# Allegro board LAY_90818_C.brd (continued)
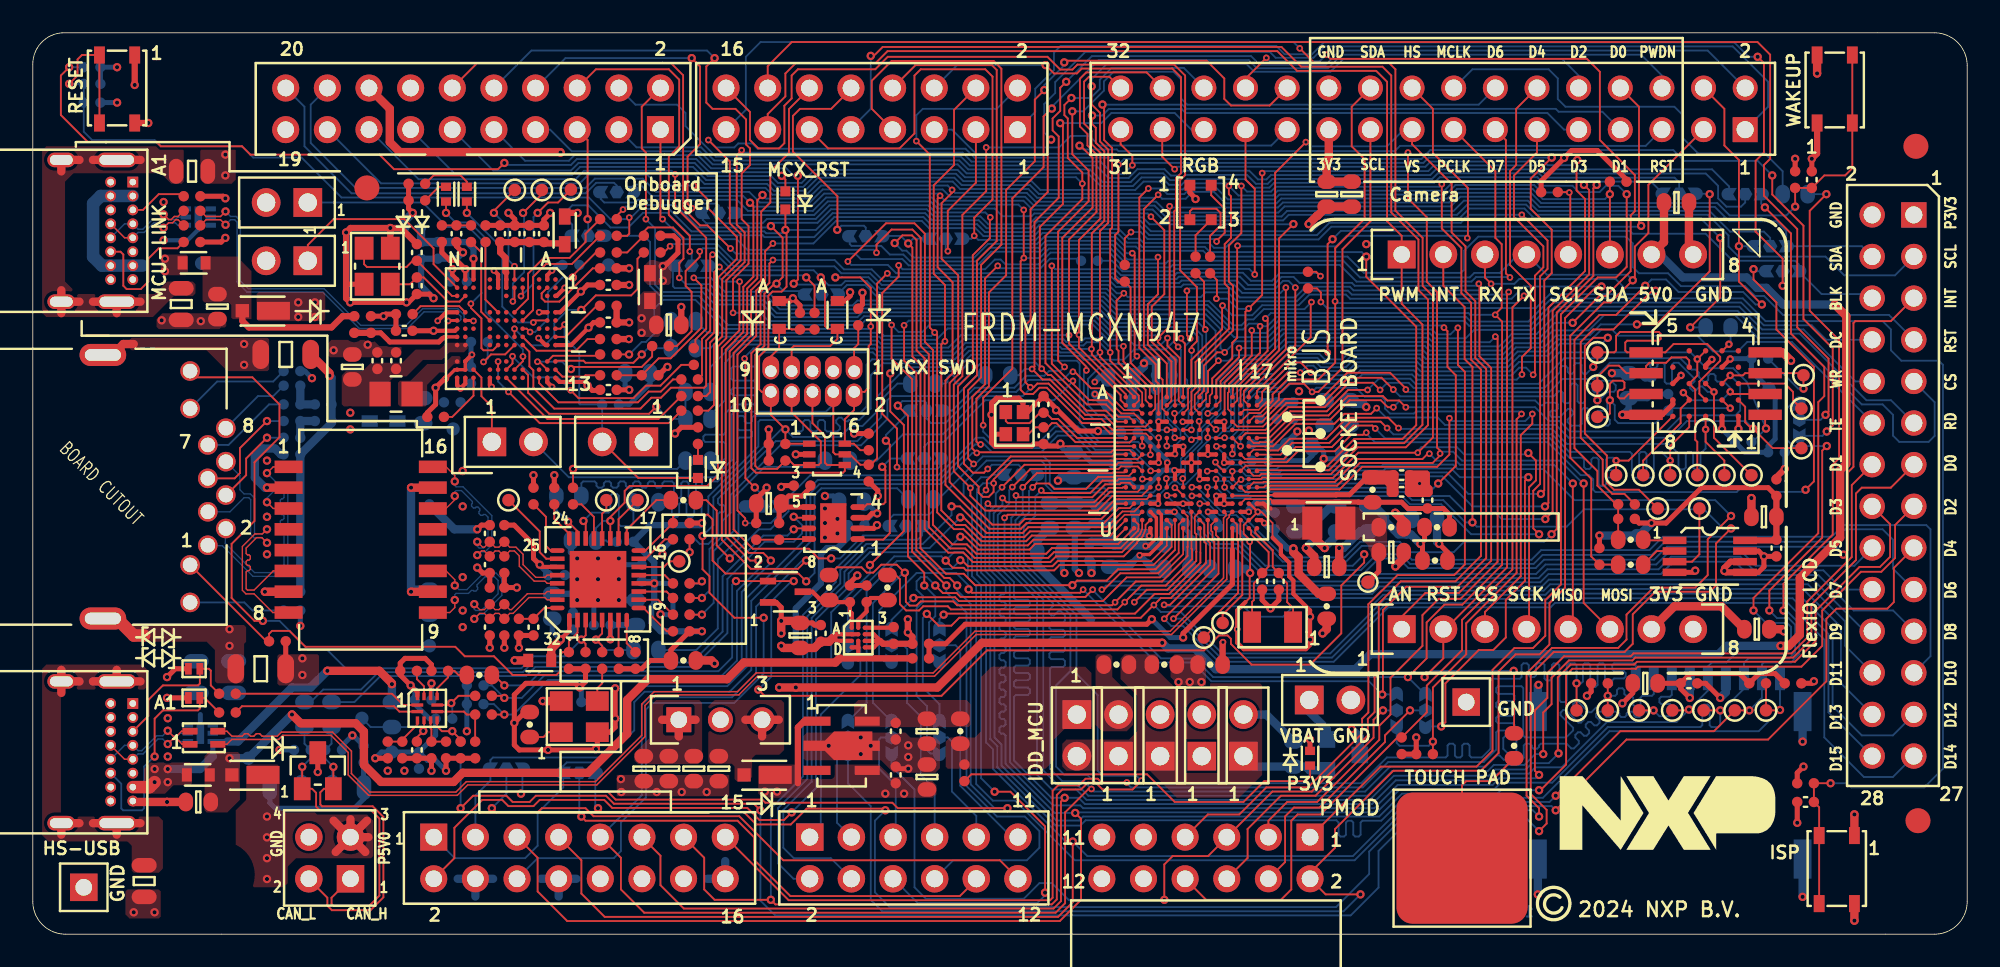
[diagram p0: board, top side]
## Nets (continued)
LPC_HW_VER_3: R120.1 U11.B2
LPC_HW_VER_4: R122.1 U11.M5
LPC_HW_VER_5: R123.1 U11.H5
LPC_HW_VER_6: J18.1 U11.H9
LPC_HW_VER_7: J19.1 U11.N2
LPC_HW_VER_8: R117.1 U11.L13
LPC_LED_USB_COMM: D10.C(CATHODE) U11.F12
LPC_LED_VCOM_ACT: D12.C(CATHODE) U11.B6
LPC_MCU_LINK_I2C0_SCL: R143.1 U11.A12
LPC_MCU_LINK_I2C0_SDA: R142.1 U11.E7
LPC_MCU_LINK_RX: R172.1 R178.1 U11.E12
LPC_MCU_LINK_SPI1_MISO: R139.1 U11.G13
LPC_MCU_LINK_SPI1_MOSI: R138.1 U11.H12
LPC_MCU_LINK_SPI1_SCLK: R137.1 U11.G12
LPC_MCU_LINK_SPI1_SSEL: R136.1 U11.B12
LPC_MCU_LINK_TX: R173.1 R179.1 U11.A11
LPC_PIO0_5-ISP_EN-LED_SWD_ACT: D11.C(CATHODE) J21.2 R124.2 U11.A7
LPC_PIO0_10-SWO: TP28.1(PIN1) U11.F2
LPC_PIO0_11-SWDCLK: TP29.1(PIN1) U11.F1
LPC_PIO0_12-SWDIO: TP30.1(PIN1) U11.E2
LPC_USB1_DM: R110.2 U11.N6
LPC_USB1_DP: R111.2 U11.M6
MCU_LINK_3V3: C76.1 C77.1 C79.1 C80.1 C81.1 C82.1 C84.1 L9.2 R116.1 TP44.1(PIN1) U11.A3 U11.A5 U11.A9 U11.A13 U11.M1 U11.N7
MCU_LINK_RST: R189.1 U11.J6
MCU_LINK_USB_CC1: J17.A5 R112.1
MCU_LINK_USB_CC2: J17.B5 R113.1
MCU_LINK_USB_DN: J17.A7 J17.B7 R110.1 U12.1
MCU_LINK_USB_DP: J17.A6 J17.B6 R111.1 U12.2
MCU_LINK_VBAT: C93.1 C94.1 C95.1 L12.2 TP45.1(PIN1) U11.M13 U11.N13
MCU_LINK_VDDA: C86.1 C87.1 C88.1 C89.1 L10.2 U11.G1 U11.G2
MCU_LINK_XTAL_N: C96.1 U11.M3 Y4.3
MCU_LINK_XTAL_P: C97.1 U11.N3 Y4.1
MCX_USB1_DM: L13.2 U1.R14
MCX_USB1_DP: L13.3 U1.R13
MCX_USB1_VBUS: R27.2 R29.1 U1.U14
OPAMP0_INN/RSHUNT_CURA_N: SJ24.1 U1.U6
OPAMP1_INN/RSHUNT_CURB_N: SJ22.1 U1.U8
OPAMP2_INN/RSHUNT_CURC_N: SJ20.1 U1.U10
P0_0/TMS/SWD_DIO: D16.6(K5) J23.2 R129.2 R144.2 U1.A17
P0_1/TCLK/SWD_CLK: D16.5 J22.2 J23.4 R147.1 U1.A16
P0_2/TDO/SWO: D16.4 J23.6 R130.2 U1.B16
P0_3/CMP1_IN1-MC_CUR_DCB: D16.3 J23.8 R131.2 R145.2 SJ17.1 U1.B15
P0_4/PDM0_CLK: J9.17 SJ12.3 SJ22.3 U1.B14
P0_5/PDM0_DATA0: J9.15 SJ13.3 SJ21.3 U1.A14
P0_6/ISPMODE_N-DEBUG: C3.1 D15.C J23.7 R1.2 R133.2 SW3.3 SW3.4 U1.C14
P0_7/FXIO_LCD_DC: J8.8 U1.C13
P0_8/FXIO_LCD_RD: J8.11 U1.C12
P0_9/FXIO_LCD_WR: J8.10 U1.A12
P0_10/CT0_MAT0-ARD_D9: R5.2 SJ5.1 U1.B12
P0_11/SMARTDMA_CAMERA_HSYNC: J9.18(B9) U1.B11
P0_12/FXIO_LCD_CS: J8.9 U1.D11
P0_13/FXIO_LCD_TE: J8.12 U1.F12
P0_14/ADC0_B14-MC_BEMF_B: J4.6 SJ19.3 U1.E11
P0_15/ARD_A4: SJ8.1 U1.G13
P0_16/FC2_I2C_SDA-MCULINK: J7.3 R141.2 R142.2 U1.B10
P0_17/FC2_I2C_SCL-MCULINK: J7.7 R140.2 R143.2 U1.A10
P0_18/PMOD_FC0_SPI_MISO: J7.5 SJ23.3 U1.C10
P0_19/PMOD_FC0_SPI_CS: J2.13 J7.1 U1.C9
P0_20/PMOD_INT: J7.2 SJ24.3 U1.C8
P0_21/TSI0_CH16: SJ25.3 U1.A8
P0_22/ADC0_A14-MC_BEMF_C: J4.8 SJ18.3 U1.B8
P0_23/ARD_A5: C4.1 R2.2 SJ9.1 SW2.3 SW2.4 U1.B7
P0_24/FC1_SPI_SDO-ARD_D11: SJ7.1 U1.B6
P0_25/FC1_SPI_SCK-ARD_D13: J2.12 U1.A6
P0_26/FC1_SPI_SDI-ARD_D12: J2.10 U1.F10
P0_27/FC1_SPI_PCS-ARD_D10: R6.2 SJ6.1 U1.E10
P0_28/ARD_D8: J2.2 U1.E8
P0_29/ARD_D2: J1.6 U1.F8
P0_30/ARD_D4: SJ2.1 U1.E7
P0_31/ARD_D7: J1.16(B8) U1.D7
P1_0/FC1_SPI_SDO_MCULINK: J2.17 J5.6 R139.2 R209.2 U1.C6
P1_1/FC1_SPI_SCK_MCULINK: J2.15 J5.5 R137.2 R208.2 U1.C5
P1_2/CT1_MAT0-ARD_D6: R7.2 R138.2 SJ4.1 U1.C4
P1_3/FC1_SPI_PCS_MCULINK: J6.2 R136.2 R156.2 U1.B4
P1_3/TOUCH_PAD: E1.1 R156.1
P1_4: SJ27.2 U1.A4
P1_4/ENET_TXCLK: R85.2 SJ27.1
P1_4/SMARTDMA_LCD_D0_CAMERA_D0: J9.8 SJ27.3
P1_5/ENET_TXEN: R71.1 R160.1
P1_5/SMARTDMA_LCD_D1_CAMERA_D1: J9.7 R160.2 U1.B3
P1_6/ENET_TXD0: R161.1 U9.22
P1_6/SMARTDMA_LCD_D2_CAMERA_D2: J9.10 R161.2 U1.B2
P1_7/ENET_TXD1: R162.1 U9.23
P1_7/SMARTDMA_LCD_D3_CAMERA_D3: J9.9 R162.2 U1.A2
P1_8/FC4_P0_UART_RXD_MCULINK: J9.32 R173.2 U1.A1
P1_9/FC4_P1_UART_TXD_MCULINK: J9.30 R172.2 U1.B1
P1_10/CAN0_TXD: SJ16.1 U10.1
P1_10/SMARTDMA_LCD_D6_CAMERA_D6: J9.14 SJ16.3
P1_10/TSI0_CH19-HDR: SJ16.2 SJ20.3 U1.C3
P1_11: R169.2 SJ26.2 U1.D3
P1_11/CAN0_RXD: SJ26.1 U10.4
P1_11/I3C1_PUR: R53.1 R169.1
P1_11/SMARTDMA_LCD_D7_CAMERA_D7: J9.13 SJ26.3
P1_12/SMARTDMA_LCD_D8: J2.11 J9.28 U1.D2
P1_13/ENET_RXDV/MODE2: R75.1 R89.1 R163.1
P1_13/SMARTDMA_LCD_D9: J9.27 R163.2 U1.D1
P1_14/ENET_RXD0/MODE0: R79.1 R88.1 R164.1
P1_14/SMARTDMA_LCD_D10: J9.2 R164.2 U1.D4
P1_15/ENET_RXD1/MODE1: R80.1 R90.1 R165.1
P1_15/SMARTDMA_LCD_D11: J9.1 R165.2 U1.E4
P1_16/I3C1_SDA: J5.3 J9.4 R52.1 R53.2 R55.1 SJ14.3 U1.F6
P1_17/I3C1_SCL: J5.4 J9.3 R51.1 R56.1 SJ15.3 U1.F4
P1_18/SMARTDMA_LCD_D14_CAMERA_PDOWN: J9.6 U1.G4
P1_19/SMARTDMA_LCD_D15_CAMERA_RST: J9.5 U1.G5
P1_20/ENET_MDC: R191.1 U1.K5
P1_21/ARD_D5: J1.7 R166.2 SJ3.1 U1.L5
P1_21/ENET_MDIO: R155.2 R166.1 U9.16
P1_22/SMARTDMA_LCD_DC: J3.3 J9.24 SJ9.3 U1.L4
P1_23/ARD_D3: J9.23 SJ1.1 U1.M4
P2_0/SMARTDMA_LCD_WR: J9.25 R167.1
P2_0/TRIG_IN5-MC_ENC_B: J3.1 R167.2 SJ8.3 U1.H2
P2_1/SDHC0_CD_B: J12.9 R57.2 TP27.1(PIN1) U1.H1
P2_2/CAMERA_CLKIN: J9.16 R168.1
P2_2/PWM1_A2: J3.7 J12.8 R168.2 SJ7.3 TP5.1(PIN1) U1.H3
P2_3/PWM1_B2: J3.5 J12.7 SJ4.3 TP4.1(PIN1) U1.J3
P2_4/PWM1_A1: J3.11 J12.5 SJ5.3 TP26.1(PIN1) U1.K3
P2_5/PWM1_B1: J3.9 J12.3 SJ6.3 TP25.1(PIN1) U1.K1
P2_6/PWM1_A0: J3.15 J12.2 R54.1 SJ1.3 TP24.1(PIN1) U1.K2
P2_7/PWM1_B0: J3.13 J12.1 SJ3.3 TP23.1(PIN1) U1.L2
P2_8/FXIO_D16-FXIO_HDR: J8.13 U1.M2
P2_9/FXIO_D17-FXIO_HDR: J8.14 U1.M1
P2_10/FXIO_D18-FXIO_HDR: J8.15 U1.M3
P2_11/FXIO_D19: J8.16 U1.N4
P3_0/FLEXSPI0_A_SS0_B: R58.2 TP12.1(PIN1) U1.B17 U7.A3 U7.C2 U8.1
P3_1/FLEXSPI0_A_SS1_B: TP31.1(PIN1) U1.C15
P3_2/FC7_I2C_SDA: J7.8 J9.20 R210.2 U1.D15
P3_3/FC7_I2C_SCL: J9.19 R211.2 SJ12.1 U1.D16
P3_4/SMARTDMA_LCD_D4_CAMERA_D4: J9.12 U1.F14
P3_5/SMARTDMA_LCD_D5_CAMERA_D5: J9.11 U1.G14
P3_6/FLEXSPI0_A_DQS: TP8.1(PIN1) U1.D17 U7.C3
P3_7/FLEXSPI0_A_SCLK: TP18.1(PIN1) U1.D14 U7.B2 U8.6
P3_8/FLEXSPI0_A_DATA0: TP16.1(PIN1) U1.E14 U7.D3 U8.5
P3_9/FLEXSPI0_A_DATA1: TP15.1(PIN1) U1.F15 U7.D2 U8.2
P3_10/FLEXSPI0_A_DATA2: R59.2 TP13.1(PIN1) U1.F17 U7.C4 U8.3
P3_11/FLEXSPI0_A_DATA3: R60.2 TP14.1(PIN1) U1.F16 U7.D4 U8.7
P3_12/FLEXSPI0_A_DATA4: TP17.1(PIN1) U1.G16 U7.D5
P3_13/FLEXSPI0_A_DATA5: TP11.1(PIN1) U1.H16 U7.E3
P3_14/FLEXSPI0_A_DATA6: TP10.1(PIN1) U1.H17 U7.E2
P3_15/FLEXSPI0_A_DATA7: TP9.1(PIN1) U1.H15 U7.E1
P3_16/SAI1_TX_BCLK: SJ11.1 U1.J15
P3_17/SAI1_TX_FS: J1.11 SJ10.3 U1.K15
P3_18/SAI1_RX_BCLK: J1.9 U1.K16
P3_19/ME_PWM: J1.13 J5.1 U1.K17
P3_20/ME_FC6_SPI_MOSI: J1.5 J6.6 U1.M17
P3_21/ME_FC6_SPI_CLK: J1.15 J6.4 U1.L16
P3_22/ME_FC6_SPI_MISO: J6.5 U1.M16
P3_23/ME_FC6_SPI_CS: J6.3 U1.M15
P4_0/FC2_I2C_SDA-ARD_D18: J8.4 R45.1 R148.2 SJ14.1 U1.P1
P4_1/FC2_I2C_SCL-ARD_D19: J8.3 R43.1 R149.2 SJ15.1 U1.P2
P4_2/FC2_P2_UART_TXD_MCULINK: J1.4 R178.2 U1.T1
P4_3/FC2_P3_UART_TXD_MCULINK: J1.2 R179.2 U1.U1
P4_4/SMARTDMA_LCD_CS: J9.26 U1.M6
P4_5/FXIO_LCD_GPIO: J8.6 SJ11.3 U1.M8
P4_6/FXIO_LCD_INT: J8.5 U1.N7
P4_7/FXIO_LCD_RST: J8.7 U1.T4
P4_12/FXIO_D20: J8.17 SJ25.1 U1.T6
P4_13/FXIO_D21: J8.18(B9) SJ2.3 SJ10.1 U1.T7
P4_14/FXIO_D22: J8.19 U1.N8
P4_15/FXIO_D23: J8.20 U1.T8
P4_16/FXIO_D24: J8.21 R34.1 SJ23.1 U1.R8
P4_17/FXIO_D25: J8.22 R28.1 U1.R9
P4_18/FXIO_D26: J8.23 U1.N10
P4_19/FXIO_D27: J8.24 U1.R10
P4_20/FXIO_D28: J8.25 SJ21.1 U1.T10
P4_21/FXIO_D29: J8.26 U1.T11
P4_22/FXIO_D30: J8.27 U1.T12
P4_23/FXIO_D31: J8.28 U1.U12
P5-9V_VIN: C72.1 C73.1 C74.1 J3.16(B8) J15.1
P5_2/MC_BEMF_B: SJ19.1 U1.M10
P5_3/MC_BEMF_C: SJ18.1 U1.N11
P5_4/MC_VOLT_DCB: J2.7 U1.M12
P5_5/MC_CUR_DCB: SJ17.3 U1.K12
P5_6/PMOD_RESET: SJ13.1 U1.K13
P5_7/ME_INT: J5.2 R46.1 U1.L13
P5_8: C62.1 J9.31 R86.2 U1.L14 U9.19
P5_9: J9.29 U1.M14
RESET_B: C5.1 D1.C(CATHODE) D16.1 J3.6 J23.10(B5) R3.2 R61.1 R132.2 R146.2 SW1.3 SW1.4 U1.F3
USB_OTG_VBUS_5V: J11.A4 J11.A9 J11.B4(VBUS4) J11.B9 L3.1 R35.1 U4.6(VBUS)
VDD_P0/1: C13.1 C14.1 C15.1 C16.1 R11.2 U1.G7 U1.H6 U1.H8
VREFO: C26.1 TP1.1(PIN1) U1.U4
XTAL: C1.1 U1.F1 Y1.1
XTAL32K: C101.1 U1.U17 Y2.1
N17070141: TP6.1(PIN1) U6.3
N17947336: R17.2 R21.1 R194.2
N17976562: J26.2 L1.1 R152.2
N18081997: R61.2 U7.A4
N18146165: R55.2 U6.1
N18146192: R56.2 U6.2
N18170113: TP7.1(PIN1) U7.C5
N18244965: J1.8 SJ1.2
N18244998: J1.10 SJ2.2
N18245035: J1.12 SJ3.2
N18245072: J1.14 SJ4.2
N18245211: J2.4 SJ5.2
N18245248: J2.6 SJ6.2
N18245285: J2.8 SJ7.2
N18245536: J2.18 SJ14.2
N18245546: J2.20 SJ15.2
N18245623: J2.9 SJ17.2
N18245627: J2.5 SJ18.2
N18245629: J2.3 SJ19.2
N18245645: J1.3 SJ10.2
N18245647: J1.1 SJ11.2
N18245840: J4.9 SJ21.2
N18245857: J4.7 SJ22.2
N18245867: J4.5 SJ23.2
N18245871: J4.3 SJ24.2
N18245879: J4.1 SJ25.2
N18245962: J7.6 SJ12.2
N18246201: J4.10 SJ8.2
N18246203: J4.12(B6) SJ9.2
N18256242: C103.2 J17.SH1 J17.SH2 J17.SH3 J17.SH4 R193.2
N18256939: R106.2 R107.1 U11.N8
N18262974: C102.2 J11.SH1 J11.SH2 J11.SH3 J11.SH4 R192.2
N18269981: R48.2 U5.1
N18269984: R47.2 U5.2
N18272407: TP3.1(PIN1) U1.T15
N18275227: R33.1 U3.A3
N18275826: R26.2 R28.2 U3.A2
N18276397: R39.2 R44.1 U5.9
N18276876: Q1.3 R32.2 R34.2 U3.A1
N18278352: C40.1 R35.2 TP47.1(PIN1) U5.4
N18280400: R41.2 U5.11
N18280695: R42.2 R50.1 U5.3
N18280707: R40.2 R49.1 U5.5
N18282084: R38.2 R45.2 U5.7
N18282089: R37.2 R43.2 U5.8
N18282098: R36.2 R46.2 U5.6
N18292445: L11.1 U11.N11
N18292448: C90.1 C91.1 C92.1 L11.2 U11.M9 U11.N9
N18293014: C85.1 R116.2 R189.2
N18308453: D14.C J23.9 R134.2 R135.1
N18311263: D10.A R108.2
N18311339: D11.A R109.2
N18311378: D12.A R114.2
N18326210: TP19.1(PIN1) U9.18
N18326309: R68.1 U9.25
N18326312: R67.1 U9.24
N18326469: TP20.1(PIN1) U9.20
N18326563: R70.2 U9.13
N18326577: R71.2 U9.21
N18326609: TP21.1(PIN1) U9.14
N18326622: R75.2 U9.15
N18326681: R80.2 U9.10
N18326713: R79.2 U9.11
N18326873: TP22.1(PIN1) U9.26
N18327158: C63.1 R87.1 U9.32
N18327491: R81.1 R85.1 U9.5
N18331420: C65.1 R199.2 U10.3
N18331439: C64.1 R97.1 R198.2 U10.5(VIO)
N18331754: R97.2 R103.1 U10.8
N18332056: C67.1 R98.2 R102.1
N18351406: J4.11 SJ20.2
N18387032: TP2.1(PIN1) U1.T14
N18488997: D1.A R4.2
N18489354: D2.2 R5.1
N18489379: D2.3 R6.1
N18489398: D2.4(CATHODE3) R7.1
N18504747: C25.1 R171.2 U1.R5
N18505185: C29.1 R212.2 U1.R12
N18565447: J7.4 SJ13.2
N18566301: D17.3(C) J27.1 R15.1
N18567034: D17.2 JP6.1
N18602883: J23.1 R188.2
N18782096: R154.1 Y3.1
N18782104: R81.2 Y3.3
N18785538: J16.10 R66.1
N18785600: J16.12 R69.1
N18786729: C61.1 R72.2 R74.2 R83.2 R84.2
N18786733: R76.2 R77.2 R83.1
N18786737: R73.2 R78.2 R84.1
N179915740: D5.A R24.2

Pads without a net: J2 19; J11 A8 B8; J17 A8 B8; T1 4 5 12 13; U2 3; U4 3 4 5; U7 A2 A5 B1 B5; U9 4; U11 A1 A2 A6 B3 B7 B8 C1 C2 C7 C12 E1 E5 E13 F6 F13 G3 G5 G6 G8 G9 G11 H6 H8 H13 J1 J2 J5 J7 J8 J9 J12 L2 L7 M2 M7 M8; U12 3 4 5

## Via types
v1: diameter 0.406, hole 0.203, TOP to BOTTOM, 262 vias
v2: diameter 0.508, hole 0.254, TOP to BOTTOM, 451 vias
v3: diameter 0.457, hole 0.203, TOP to BOTTOM, 13 vias
v4: diameter 0.508, hole 0.257, TOP to BOTTOM, 18 vias

## Routing (per net, layer and track width the routed paths; a pad name or vN(x,y) marks a point on that pad's centre or on a via; arc(x,y) is an arc through that point)
AGND: length 7
  TOP w0.203: U1.R6 v1(69.64,25.77)
  BOTTOM w0.305: v1(69.64,25.77) 70.29,25.12 C20.2 70.29,24.73 70.55,24.48 C69.2
  BOTTOM w0.381: v1(69.64,25.77) 68.31,25.77 C26.2
  BOTTOM w0.508: R12.2 C25.2 C69.2
GND: length 384.6
  TOP w0.102: v1(74.72,25.77) 74.94,25.77 75.63,25.09 75.63,24.2 ; U1.T16 73.87,24.96 73.87,24.44 74.23,24.07 v1(74.23,23.94) ; 65.85,29.77 U1.G2
  TOP w0.112: 73.97,20.27 74.23,20.52 74.23,21.89 74.26,21.91 v2(74.26,22.04) 74.26,23.92 v1(74.23,23.94) ; 65.85,29.77 62.84,29.77 v2(62.68,29.93) ; U1.T16 74.22,25.27 v1(74.72,25.77)
  TOP w0.152: U1.P16 74.22,26.27 v1(74.72,25.77)
  TOP w0.203: U5.10 24.27,15.25 v2(24.32,15.31) ; U11.M11 U11.M12 U11.N12 25.75,34.45 v1(25.2,33.9)
  TOP w0.254: U11.B13 31.38,33.68 v1(31.68,33.39) ; v1(26.79,35.36) 26.38,34.95 U11.M11 ; U11.B5 v1(30.89,37.95) ; v1(28.13,40.5) 28.38,40.25 U11.H1 U11.H2 ; U1.K9 v1(70.67,28.77) ; v1(70.67,28.77) U1.H9 ; v1(70.67,28.77) U1.J8 ; v1(70.67,28.77) U1.J10 ; U1.J14 v1(72.67,28.77) U1.H13 ; 51.69,17.9 50.76,17.9 U3.C3 ; 51.69,17.9 51.69,17.91 51.3,18.3 U3.B3 ; 51.69,17.9 51.3,17.5 U3.D3 ; U1.D9 v1(70.15,31.27) ; U11.B1 31.38,40.21 v1(31.68,40.5) ; v1(72.67,26.26) U1.N13 72.23,26.77 v1(72.2,26.74) 72.17,26.72 U1.P12 72.18,26.26 v1(72.67,26.26) ; v1(72.67,26.26) 72.68,26.27 U1.P14 ; v1(24.7,37.42) 25.22,37.95 U11.N5 ; v1(30.85,36.37) 31.28,35.95 U11.B9 ; v1(27.99,33.39) 27.88,33.5 U11.J13 ; U11.N1 25.59,40.24 v2(25.59,40.58) ; U1.P9 v1(70.17,26.27) U1.P7 U1.P6 ; U7.E5 v2(104.04,30.83) ; 73.97,20.27 73.47,19.76 v1(73.47,18.61) 73.47,17.79 73.86,17.39 77.66,17.39 77.91,17.65 v2(77.91,17.97) v2(77.91,19.37) 77.91,19.75 76.9,20.77 76.9,21.58 76.64,21.83 76.64,22.67 76.14,23.18 76.14,23.69 75.63,24.2 ; U1.H5 v1(68.67,28.77) U1.J4 ; U1.D6 68.68,31.27 v1(68.67,31.28) U1.E5 ; v3(100.54,34.1) U7.C1 ; U1.E13 v1(72.67,31.27) 72.59,31.27 72.59,31.27 U1.D12
  TOP w0.305: v2(44.77,27.25) 44.77,27.19 44.13,26.56 C64.2 R103.2 ; C87.2 C88.2 R123.2 ; C87.2 29.4,43.63 v2(29.02,44.01) ; C87.2 C86.2 C89.2 31.18,43.6 31.56,43.98 v2(31.56,44.01) ; C34.2 52.77,10.1 v2(53.4,10.1) ; v2(11.75,42.49) 11.49,42.23 R113.2 ; U7.B3 102.04,34.69 v3(102.42,35.07) ; v1(25.2,33.9) 25.13,33.9 v2(24.57,33.34) 24.57,32.33 24.07,31.82 R117.2 ; D9.3 v2(17.38,9.9) ; v2(105.6,23.05) 105.6,22.42 105.26,22.08 U6.5 ; v2(105.6,23.05) 105.27,23.38 U6.7 ; v2(105.6,23.05) C44.2 ; Q1.1 45.35,20.25 45.66,19.94 v2(45.66,19.12) ; C38.2 47.69,18.86 47.56,18.99 C37.2 ; U10.2 51.3,24.76 v2(51.5,24.96) ; v2(101.41,22.18) 101.3,22.08 U6.4 ; D7.1 v2(8.19,14.42) ; v2(62.68,29.93) 62.54,29.79 61.78,29.79 C2.2 61.06,29.91 60.93,29.79 58.7,29.79 58.48,30 58.48,30.55 ; R67.2 v2(31.81,28.01) ; v2(102.93,14.42) 102.04,15.31 C43.2 ; v2(24.32,9.97) R49.2 C40.2 R50.2 ; v2(94.8,14.55) 95.06,14.8 R54.2 ; D15.A 49.55,38.64 49.85,38.94 v2(49.85,39.17) ; D14.A 46.2,38.64 v2(46.37,38.8) 46.8,38.37 R135.2 ; C100.2 74.99,20.39 v2(75.5,19.88) 76.01,20.39 C101.2 ; v2(29.37,12.89) 29.37,11.55 29.68,11.24 v2(31.43,11.24) 34.3,11.24 v2(34.35,11.3) 34.44,11.38 Y3.2 35.22,12.33 35.52,12.63 v2(35.52,13.16) v2(35.52,15) ; v2(29.37,12.89) 29.37,14.61 30.07,15.31 33.11,15.31 v2(33.36,15.05) 33.72,15.41 R95.1 R96.1 ; v2(29.37,12.89) 30.03,13.56 R154.2 ; R107.2 v2(21.4,37.71) 21.53,37.84 R122.2 C79.2 ; R147.2 51.55,27.07 v2(51.55,26.74) ; D8.1 8.7,16.2 v2(8.19,15.69) ; Y1.2 58.52,30.51 58.48,30.55 ; C42.2 97.6,14.72 v2(96.96,14.08) ; v2(64.98,30.7) 63.79,30.7 62.52,31.97 v2(62.42,31.97) 62.42,32.07 C1.2 60.68,31.86 Y1.4 60.4,32.44 60.13,32.71 58.79,32.71 58.48,32.4 v2(58.48,31.69) 58.48,30.55 ; v2(26.24,41.6) 26.22,41.6 25.84,41.98 C85.2 ; v2(29.65,17.47) R87.2 C63.2 ; v2(19.37,38.55) v2(22.8,38.55) 22.92,38.55 C96.2 24.19,39.06 v2(24.45,38.8) ; v2(30.54,28.01) R68.2 ; R207.2 C60.2 ; C77.2 v2(36.38,33.21) ; D16.2 v2(46.54,29.28) ; v2(11.75,44.9) 11.62,45.03 R112.2 ; C4.2 v2(108.52,47.31) ; C55.2 27.37,24.96 v2(27.11,24.71) ; C3.2 v2(107.63,6.8) ; C57.2 C54.2 27.44,22.04 v2(27.11,22.37) ; D5.C v2(77.91,11.88) ; Y4.2 19.15,39.66 19.11,39.69 ; C56.2 v2(27.88,17.48)
  TOP w0.381: U6.5 103.27,22.08 v2(103.19,22.17) 103.19,22.35 103.57,22.73 U6.6 ; v2(19.37,38.55) 19.11,38.8 v2(19.11,42.82) 19.39,43.09 v2(21.81,43.09) ; SW2.1 108.84,47.63 v2(108.52,47.31) ; v2(39.56,38.27) 39.56,38.17 39.56,38.17 C84.2 ; R119.2 C80.2 v2(36.38,37.33) ; SW1.1 v2(6.22,51.82) ; R118.2 v2(36.36,36.31) ; R120.2 v2(36.38,40.63) ; v2(21.81,43.09) 22.44,43.09 C97.2 ; v2(21.81,43.09) Y4.4 ; 51.69,17.9 51.87,17.72 R33.2 53.66,17.72 53.66,18.14 v2(53.38,18.42) v2(53.38,19.22) ; C76.2 v2(36.38,39.61) ; SW1.2 v2(7.05,49.49)
  TOP w0.508: C37.2 46.67,19.12 v2(45.66,19.12) v2(45.66,18.36) ; v2(83.12,22.44) 83.63,22.95 C27.2 ; v2(106.81,18.48) 106.69,18.61 C70.2 ; SW2.2 v2(108.84,52.52) ; SW3.2 v2(111.12,0.83) ; C105.2 C104.2 78.38,43.84 78.34,43.84 v2(77.83,43.33) ; J11.A12 6.16,8.07 v2(8.19,8.07) C39.2 ; U8.4 106.74,35.5 v2(107.25,34.99) ; C71.2 101.03,41.73 J5.8 ; v2(77.66,23.56) 78.17,23.05 C28.2 ; C45.2 v2(104.84,26.61) ; SW3.1 v2(111.12,7.31)
  GND w0.508: J2.14 24.13,51.63 ; J2.14 21.97,51.63 ; J2.14 23.05,52.71 ; J2.14 23.05,50.55 ; 66.67,5.92 J7.9 ; J7.9 67.75,4.84 ; J7.9 67.75,7 ; J7.9 68.83,5.92 ; 80.4,13.16 JP6.2 ; JP6.2 79.27,14.29 ; JP6.2 80.4,15.42 ; JP6.2 81.53,14.29 ; 2.02,2.86 JP1.1 ; JP1.1 4.2,2.86 ; JP1.1 3.11,3.95 ; JP1.1 3.11,1.77 ; 14.24,43.51 J18.2 ; J18.2 15.37,44.64 ; J18.2 14.24,45.78 ; J18.2 13.1,44.64 ; 36.14,30.04 J21.1 ; J21.1 37.27,28.91 ; J21.1 38.4,30.04 ; J21.1 37.27,31.17 ; J8.2 112.2,44.92 ; J8.2 113.23,43.89 ; J8.2 111.17,43.89 ; J8.2 112.2,42.86 ; 101.28,17.51 J6.8 ; J6.8 101.28,19.72 ; J6.8 100.18,18.61 ; J6.8 102.39,18.61 ; 15.75,5.92 J10.4 ; J10.4 16.84,7.01 ; J10.4 16.84,4.83 ; J10.4 17.93,5.92 ; 4.17,45.89 J17.B12 5.33,45.89 ; J9.22 80.07,51.63 ; J9.22 79.06,50.61 ; J9.22 79.06,52.65 ; J9.22 78.04,51.63 ; 6.68,45.89 J17.A1 5.52,45.89 ; 5.33,8.13 J11.B1 4.17,8.13 ; 40.93,13.09 J15.2 ; J15.2 41.95,14.1 ; J15.2 41.95,12.07 ; J15.2 42.96,13.09 ; J19.2 14.24,42.22 ; J19.2 13.1,41.09 ; J19.2 14.24,39.96 ; J19.2 15.37,41.09 ; 36.08,3.38 J3.12 ; J3.12 38.24,3.38 ; J3.12 37.16,4.46 ; J3.12 37.16,2.3 ; J7.10 68.83,3.38 ; J7.10 67.75,4.46 ; J7.10 67.75,2.3 ; J7.10 66.67,3.38 ; J23.3 48.83,35.81 ; 39.7,2.3 J3.14 ; J3.14 38.62,3.38 ; J3.14 40.78,3.38 ; J3.14 39.7,4.46 ; J23.5 47.56,35.86 ; 6.68,39.94 J17.A12 5.52,39.94 ; 5.52,8.13 J11.A12 6.68,8.13 ; 4.17,39.94 J17.B1 5.33,39.94 ; 100.18,41.47 J5.8 ; J5.8 102.39,41.47 ; J5.8 101.28,42.58 ; J5.8 101.28,40.37 ; 4.17,14.08 J11.B12 5.33,14.08 ; 5.52,14.08 J11.A1 6.68,14.08 ; 86.35,14.16 JP2.1 ; JP2.1 87.44,15.26 ; JP2.1 88.53,14.16 ; JP2.1 87.44,13.07
  POWER w0.508: J18.2 14.24,45.78 ; J18.2 14.24,43.51 ; J18.2 13.1,44.64 ; J18.2 15.37,44.64 ; 5.33,39.94 J17.B1 4.17,39.94 ; J19.2 14.24,42.22 ; J19.2 15.37,41.09 ; J19.2 14.24,39.96 ; J19.2 13.1,41.09 ; 5.33,45.89 J17.B12 4.17,45.89 ; 6.68,45.89 J17.A1 5.52,45.89 ; 6.68,39.94 J17.A12 5.52,39.94 ; 7.05,7.94 6.28,7.94 J11.A12 J11.B1 ; J11.B12 J11.A1 7.01,14.08
  BOTTOM w0.254: 10.1,42.99 9.44,42.34 v2(7.98,42.34)
  BOTTOM w0.305: C51.2 32.96,20.13 v4(33.21,20.39) ; R69.2 v2(16.32,18.81) ; v2(25.59,40.58) 25.46,40.45 25.46,39.82 ; R88.2 R90.2 38.42,19.5 38.4,19.52 v2(38.29,19.52) ; C53.2 36.13,22.55 v4(35.75,22.93) ; C94.2 26.73,35.3 v1(26.79,35.36) 26.73,35.41 R121.2 ; v4(33.21,21.66) 32.96,21.91 C52.2 ; C41.2 v2(24.32,15.31) ; C58.2 33.46,14.95 v2(33.36,15.05) ; v2(64.98,30.7) 65.05,30.62 C30.2 ; v4(34.48,20.39) 34.23,20.13 C48.2 ; C65.2 48.83,26.74 v2(48.32,26.74) ; C68.2 18.86,11.5 v2(19.49,12.13) 19.54,12.13 C67.2 ; v2(38.42,23.18) 38.42,23.46 R89.2 ; C66.2 v2(15.05,11.24) ; 10.1,42.99 U12.7 ; v2(17.03,33.93) 16.6,34.36 R66.2 ; v2(36.38,33.21) 36.13,33.47 C83.2 ; U4.7 10.22,13.4 ; C11.2 C12.2 64.63,28.72 63.94,29.4 C10.2 63.05,29.4 62.68,29.78 v2(62.68,29.93) ; C5.2 v2(5.14,50.74) ; v1(74.23,23.94) C29.2 ; v1(31.68,40.5) 32.01,40.83 C82.2
  BOTTOM w0.381: C23.2 C22.2 75.55,29.74 C21.2 76.52,30 77.14,30.63 v2(77.14,30.67) ; v2(24.45,38.8) 23.68,39.56 C106.2 R205.2 25.86,41.22 v2(26.24,41.6) ; C13.2 65.06,33.98 v1(64.78,33.7) ; v1(74.72,25.77) 74.77,25.72 C31.2 ; C18.2 C19.2 64.58,25.09 64.32,24.83 63.61,24.83 C17.2 63.56,22.29 v2(63.82,22.04) ; v4(33.21,22.93) 32.83,23.31 C62.2 ; v4(33.21,20.39) 32.83,20.77 C50.2 ; v1(68.67,31.28) 68.67,32.23 69.4,32.96 69.4,33.09 C15.2 ; C49.2 v4(35.75,20.39)
  BOTTOM w0.508: C99.2 25.72,24.71 v2(27.11,24.71) ; J12.G2 91.81,15.17 v2(91.85,15.21) ; J12.G4 v2(91.81,2.43) ; R21.2 v2(77.66,23.56) ; 76.9,32.45 74.87,32.45 ; v2(96.33,34.23) C46.2 98.11,34.23 98.36,33.98 C47.2 ; J12.6 103.28,14.77 v2(102.93,14.42) ; C16.2 C14.2 C15.2 ; v2(74.26,22.04) 74,22.29 R12.1 ; J12.G3 v2(107.96,2.28) ; J12.G1 v2(107.96,11.75)
  vias: v1(84.59,27.5) v2(6.16,1.34) v2(7.43,1.34) v2(7.86,37.46) v2(7.98,44.67) v2(8.23,13.18) v2(8.23,10.84) v2(10.25,37.41) v2(11.75,47.57) v2(11.75,46.3) v2(14.29,28.9) v2(14.29,25.47) v2(14.29,23.18) v2(16.45,16.83) v2(16.45,15.82) v2(18.35,35.63) v2(20.43,35.97) v2(26.22,28.26) v2(26.22,26.1) v2(26.22,21.78) v2(26.22,19.75) v2(26.22,18.74) v2(35.88,9.47) v2(35.9,8.68) v2(38.06,8.68) v2(39.58,8.68) v2(41.11,8.68) v2(53.4,11.52) v2(53.4,10.81) v2(77.24,33.13) v4(34.48,22.93) v4(34.48,21.66) v4(35.75,21.66) v4(48.32,25.98) v4(48.32,25.09) v4(48.32,24.2) v4(48.55,11.5) v4(49.08,25.34) v4(49.08,24.45) v4(50.51,12.01) v4(50.51,10.99) v4(51.12,11.5)
GND_ENET: length 23.9
  TOP w0.508: 6.16,36.01 5.52,36.01 4.86,35.34 J16.S2
  TOP w0.762: J16.S1 5.12,19.26 6.16,18.23 6.79,18.23
  GND w0.508: v2(12.89,36.01) v2(12.89,34.74) 12.89,24.45 12,23.56 v2(12,18.61) v2(12,17.59)
P3V3: length 83.8
  TOP w0.305: v2(50.29,21.89) 49.85,21.44 R32.1 R26.1 ; R202.1 108.52,15.31 v2(108.65,15.43) ; R198.1 45.78,27.37 45.7,27.29 v2(45.66,27.29) ; R145.1 R146.1 v2(44.89,30.8) ; R188.1 50.61,38.42 v2(50.61,39.14) ; R144.1 v2(50.1,30.55) ; R1.1 107.63,9.85 v2(108.01,10.23) ; R209.1 97.22,46.04 95.44,47.82 93.86,47.82 v2(93.41,47.36) 93.41,47.35 92.01,45.95 R208.1 ; v2(38.71,34.61) 38.67,34.61 R140.1 ; R210.1 84.39,10.99 v2(84.39,12.01) ; R2.1 v2(107.5,47.31) ; R109.1 39.56,30.93 v2(39.18,30.55) ; v2(23.18,44.01) 22.92,44.26 R108.1 R114.1 ; R141.1 39.09,42.61 39.36,42.35 39.36,41.57 38.66,40.88 38.64,40.88 38.52,40.76 v2(38.43,40.76) ; v2(70.93,44.86) 70.93,44.9 70.58,45.24 D2.1
  TOP w0.381: v2(106.87,28.39) 106.36,27.88 R201.1 ; L10.1 32.47,43.79 32.69,44.01 v2(33.23,44.01)
  TOP w0.508: J6.7 100.14,20.01 103.01,20.01 C70.1 ; v2(41.59,16.51) 41.4,16.7 R190.2 ; L5.1 v2(29.4,16.7) ; J9.21 79.06,47.31 78.93,47.18 C104.1 C105.1 ; Y3.4 v2(31.11,14.23)
  POWER w0.508: J8.1 114.74,44.92 ; J8.1 113.71,43.89 ; J8.1 115.77,43.89 ; J8.1 114.74,42.86 ; 64.13,3.38 J7.12 ; J7.12 66.29,3.38 ; J7.12 65.21,2.3 ; J7.12 65.21,4.46 ; 65.21,4.84 J7.11 ; J7.11 66.29,5.92 ; J7.11 65.21,7 ; J7.11 64.13,5.92 ; 79.06,48.07 J9.21 ; J9.21 78.04,49.09 ; J9.21 80.07,49.09 ; J9.21 79.06,50.11 ; J6.7 98.74,19.72 ; J6.7 97.64,18.61 ; J6.7 98.74,17.51 ; J6.7 99.85,18.61
  BOTTOM w0.305: C58.1 31.17,14.16 v2(31.11,14.23) ; R3.1 R4.1 v2(5.14,52.9) ; v2(38.71,34.61) 38.33,34.23 C83.1 37.65,33.6 36.38,32.33 R124.1 ; R149.1 R148.1 v2(26.48,12.39) ; R200.1 v2(106.87,28.39)
  BOTTOM w0.508: 25.92,3.38 J3.4 ; J3.4 28.08,3.38 ; J3.4 27,2.3 ; R204.1 22.67,43.5 v2(23.18,44.01) ; 31,3.38 J3.8 ; J3.8 32.08,2.3 ; J3.8 33.16,3.38
  vias: v2(19.37,31.82) v2(19.37,30.8) v2(21.65,9.97) v2(22.67,9.97) v2(38.43,39.87) v2(81.34,42.1)
P3V3_I3C: length 18.7
  TOP w0.305: R52.2 97.98,25.09 v2(98.74,25.09) 99.63,25.09 101.79,27.25 105.85,27.25 R201.2 ; R51.2 v2(95.57,24.32)
  TOP w0.381: U6.8 106.32,24.03 C44.1 C45.1 R201.2
  BOTTOM w0.508: v2(95.57,24.32) TP36.1 97.98,24.32 v2(98.74,25.09)
P3V3_MCU: length 5.5
  BOTTOM w0.508: D17.1 77.89,10 77.66,10.23 R16.1 74.48,10.23 J28.1
P3V3_PTN: length 18.6
  TOP w0.254: v2(23.05,15.18) 23.47,14.76 U5.12
  TOP w0.305: R42.1 v2(20.89,10.74) ; R39.1 24.32,16.45 23.94,16.83 22.71,16.83 22.41,16.54 R41.1 22.41,15.82 v2(23.05,15.18) ; R38.1 R36.1 R40.1 v2(25.21,9.97)
  BOTTOM w0.305: v2(20.89,10.74) 21.27,11.12 TP46.1 23.56,11.12 ; 23.56,11.12 24.57,12.13 R37.1 24.19,13.15 23.3,14.04 C41.1 23.3,14.93 v2(23.05,15.18) ; 23.56,11.12 24.07,10.61 24.57,10.61 v2(25.21,9.97)
P3V3_QSPI: length 26.4
  TOP w0.254: U7.B4 v3(103.54,35.1)
  TOP w0.305: U7.D1 100.04,32.33 99.4,31.69 U8.8 ; U7.E4 v2(103.04,30.82)
  TOP w0.508: U8.8 v2(96.96,31.69)
  POWER w0.508: v2(96.96,31.69) 102.17,31.69 v2(103.04,30.82)
  BOTTOM w0.305: v2(103.04,30.82) R58.1 104.46,29.4 R200.2 105.85,29.79 106.28,30.22 106.28,32.91 TP37.1 104.84,34.36 R59.1 103.57,35.12 v3(103.54,35.1) ; R60.1 C47.1
  BOTTOM w0.381: C47.1 98.49,32.71 C46.1 97.34,32.07 v2(96.96,31.69)
P3V3_SDHC: length 11
  TOP w0.305: C43.1 101.12,15.9 104.11,15.9 R57.1 105.31,15.9 106.27,15.9 R202.2 ; C43.1 C42.1 ; C43.1 100.52,14.98 v2(101.08,14.42)
  BOTTOM w0.508: J12.4 v2(101.08,14.42)